# KiCad board untitled.kicad_pcb (continued)
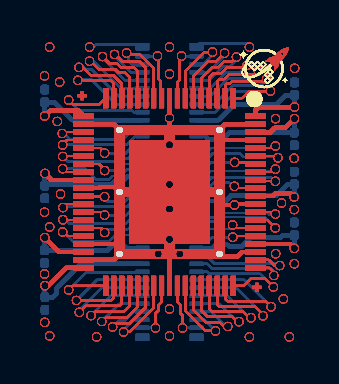
[diagram p0: board, top side]
## Routing (per net, layer and track width the routed paths; a pad name or vN(x,y) marks a point on that pad's centre or on a via; arc(x,y) is an arc through that point) (continued)
/PIN 58: length 222.5
  Top w0.1: 11.62,7.95 11.45,7.78 ; 11.62,7.95 11.45,7.78 ; 11.62,7.95 11.45,7.78 ; 11.62,7.95 11.45,7.78 ; 11.62,7.95 11.45,7.78 ; 11.62,7.95 11.45,7.78 ; 11.62,7.95 11.45,7.78 ; 11.62,7.95 11.45,7.78 ; 11.62,7.95 11.45,7.78 ; 11.62,7.95 11.45,7.78 ; 11.62,7.95 11.45,7.78 ; 11.62,7.95 11.45,7.78 ; 11.62,7.95 11.45,7.78 ; 11.62,7.95 11.45,7.78 ; 11.62,7.95 11.45,7.78 ; 11.62,7.95 11.45,7.78 ; 11.62,7.95 11.45,7.78 ; 11.62,7.95 11.45,7.78 ; 11.62,7.95 11.45,7.78 ; 11.62,7.95 11.45,7.78 ; 11.62,7.95 11.45,7.78 ; 11.62,7.95 11.45,7.78 ; 11.62,7.95 11.45,7.78 ; 11.62,7.95 11.45,7.78 ; 11.62,7.95 11.45,7.78 ; 11.62,7.95 11.45,7.78 ; 11.62,7.95 11.45,7.78 ; 11.62,7.95 11.45,7.78 ; 11.62,7.95 11.45,7.78 ; 11.62,7.95 11.45,7.78 ; 11.62,7.95 11.45,7.78 ; 11.62,7.95 11.45,7.78 ; 11.62,7.95 11.45,7.78 ; 11.62,7.95 11.45,7.78 ; 11.62,7.95 11.45,7.78 ; 11.62,7.95 11.45,7.78 ; 11.62,7.95 11.45,7.78 ; 11.62,7.95 11.45,7.78 ; 11.62,7.95 11.45,7.78 ; 11.62,7.95 11.45,7.78 ; 11.62,7.95 11.45,7.78 ; 11.62,7.95 11.45,7.78 ; 11.45,7.78 J158.70 ; 11.45,7.78 J158.70 ; 11.45,7.78 J158.70 ; 11.45,7.78 J158.70 ; 11.45,7.78 J158.70 ; 11.45,7.78 J158.70 ; 11.45,7.78 J158.70 ; 11.45,7.78 J158.70 ; 11.45,7.78 J158.70 ; 11.45,7.78 J158.70 ; 11.45,7.78 J158.70 ; 11.45,7.78 J158.70 ; 11.45,7.78 J158.70 ; 11.45,7.78 J158.70 ; 11.45,7.78 J158.70 ; 11.45,7.78 J158.70 ; 11.45,7.78 J158.70 ; 11.45,7.78 J158.70 ; 11.45,7.78 J158.70 ; 11.45,7.78 J158.70 ; 11.45,7.78 J158.70 ; 11.45,7.78 J158.70 ; 11.45,7.78 J158.70 ; 11.45,7.78 J158.70 ; 11.45,7.78 J158.70 ; 11.45,7.78 J158.70 ; 11.45,7.78 J158.70 ; 11.45,7.78 J158.70 ; 11.45,7.78 J158.70 ; 11.45,7.78 J158.70 ; 11.45,7.78 J158.70 ; 11.45,7.78 J158.70 ; 11.45,7.78 J158.70 ; 11.45,7.78 J158.70 ; 11.45,7.78 J158.70 ; 11.45,7.78 J158.70 ; 11.45,7.78 J158.70 ; 11.45,7.78 J158.70 ; 11.45,7.78 J158.70 ; 11.45,7.78 J158.70 ; 11.45,7.78 J158.70 ; 11.45,7.78 J158.70
  Bottom w0.1: 11.45,7.78 11.62,7.95 ; 11.45,7.78 8.33,7.78 ; 11.45,7.78 11.62,7.95 ; 11.45,7.78 11.62,7.95 ; 11.45,7.78 8.33,7.78 ; 11.45,7.78 11.62,7.95 ; 11.45,7.78 11.62,7.95 ; 11.45,7.78 11.62,7.95 ; 11.45,7.78 8.33,7.78 ; 11.45,7.78 8.33,7.78 ; 11.45,7.78 8.33,7.78 ; 11.45,7.78 8.33,7.78 ; 11.45,7.78 8.33,7.78 ; 11.45,7.78 8.33,7.78 ; 11.45,7.78 8.33,7.78 ; 11.45,7.78 8.33,7.78 ; 11.45,7.78 8.33,7.78 ; 11.45,7.78 8.33,7.78 ; 11.45,7.78 8.33,7.78 ; 11.45,7.78 11.62,7.95 ; 11.45,7.78 11.62,7.95 ; 11.45,7.78 11.62,7.95 ; 11.45,7.78 8.33,7.78 ; 11.45,7.78 8.33,7.78 ; 11.45,7.78 11.62,7.95 ; 11.45,7.78 11.62,7.95 ; 11.45,7.78 11.62,7.95 ; 11.45,7.78 8.33,7.78 ; 11.45,7.78 8.33,7.78 ; 11.45,7.78 8.33,7.78 ; 11.45,7.78 8.33,7.78 ; 11.45,7.78 8.33,7.78 ; 11.45,7.78 11.62,7.95 ; 11.45,7.78 8.33,7.78 ; 11.45,7.78 11.62,7.95 ; 11.45,7.78 11.62,7.95 ; 11.45,7.78 8.33,7.78 ; 11.45,7.78 11.62,7.95 ; 11.45,7.78 11.62,7.95 ; 11.45,7.78 11.62,7.95 ; 11.45,7.78 8.33,7.78 ; 11.45,7.78 8.33,7.78 ; 11.45,7.78 11.62,7.95 ; 11.45,7.78 8.33,7.78 ; 11.45,7.78 11.62,7.95 ; 11.45,7.78 11.62,7.95 ; 11.45,7.78 11.62,7.95 ; 11.45,7.78 11.62,7.95 ; 11.45,7.78 11.62,7.95 ; 11.45,7.78 11.62,7.95 ; 11.45,7.78 8.33,7.78 ; 11.45,7.78 8.33,7.78 ; 11.45,7.78 11.62,7.95 ; 11.45,7.78 11.62,7.95 ; 11.45,7.78 8.33,7.78 ; 11.45,7.78 8.33,7.78 ; 11.45,7.78 8.33,7.78 ; 11.45,7.78 8.33,7.78 ; 11.45,7.78 8.33,7.78 ; 11.45,7.78 11.62,7.95 ; 11.45,7.78 11.62,7.95 ; 11.45,7.78 8.33,7.78 ; 11.45,7.78 11.62,7.95 ; 11.45,7.78 11.62,7.95 ; 11.45,7.78 11.62,7.95 ; 11.45,7.78 8.33,7.78 ; 11.45,7.78 8.33,7.78 ; 11.45,7.78 8.33,7.78 ; 11.45,7.78 8.33,7.78 ; 11.45,7.78 11.62,7.95 ; 11.45,7.78 8.33,7.78 ; 11.45,7.78 8.33,7.78 ; 11.45,7.78 11.62,7.95 ; 11.45,7.78 11.62,7.95 ; 11.45,7.78 8.33,7.78 ; 11.45,7.78 8.33,7.78 ; 11.45,7.78 11.62,7.95 ; 11.45,7.78 11.62,7.95 ; 11.45,7.78 11.62,7.95 ; 11.45,7.78 11.62,7.95 ; 11.45,7.78 11.62,7.95 ; 11.45,7.78 11.62,7.95 ; 11.45,7.78 11.62,7.95 ; 11.45,7.78 8.33,7.78 ; 8.33,7.78 8.13,7.58 ; 8.33,7.78 8.13,7.58 ; 8.33,7.78 8.13,7.58 ; 8.33,7.78 8.13,7.58 ; 8.33,7.78 8.13,7.58 ; 8.33,7.78 8.13,7.58 ; 8.33,7.78 8.13,7.58 ; 8.33,7.78 8.13,7.58 ; 8.33,7.78 8.13,7.58 ; 8.33,7.78 8.13,7.58 ; 8.33,7.78 8.13,7.58 ; 8.33,7.78 8.13,7.58 ; 8.33,7.78 8.13,7.58 ; 8.33,7.78 8.13,7.58 ; 8.33,7.78 8.13,7.58 ; 8.33,7.78 8.13,7.58 ; 8.33,7.78 8.13,7.58 ; 8.33,7.78 8.13,7.58 ; 8.33,7.78 8.13,7.58 ; 8.33,7.78 8.13,7.58 ; 8.33,7.78 8.13,7.58 ; 8.33,7.78 8.13,7.58 ; 8.33,7.78 8.13,7.58 ; 8.33,7.78 8.13,7.58 ; 8.33,7.78 8.13,7.58 ; 8.33,7.78 8.13,7.58 ; 8.33,7.78 8.13,7.58 ; 8.33,7.78 8.13,7.58 ; 8.33,7.78 8.13,7.58 ; 8.33,7.78 8.13,7.58 ; 8.33,7.78 8.13,7.58 ; 8.33,7.78 8.13,7.58 ; 8.33,7.78 8.13,7.58 ; 8.33,7.78 8.13,7.58 ; 8.33,7.78 8.13,7.58 ; 8.33,7.78 8.13,7.58 ; 8.33,7.78 8.13,7.58 ; 8.33,7.78 8.13,7.58 ; 8.33,7.78 8.13,7.58 ; 8.33,7.78 8.13,7.58 ; 8.33,7.78 8.13,7.58 ; 8.33,7.78 8.13,7.58 ; J173.13 8.13,7.58 ; J173.13 8.13,7.58 ; J173.13 8.13,7.58 ; J173.13 8.13,7.58 ; J173.13 8.13,7.58 ; J173.13 8.13,7.58 ; J173.13 8.13,7.58 ; J173.13 8.13,7.58 ; J173.13 8.13,7.58 ; J173.13 8.13,7.58 ; J173.13 8.13,7.58 ; J173.13 8.13,7.58 ; J173.13 8.13,7.58 ; J173.13 8.13,7.58 ; J173.13 8.13,7.58 ; J173.13 8.13,7.58 ; J173.13 8.13,7.58 ; J173.13 8.13,7.58 ; J173.13 8.13,7.58 ; J173.13 8.13,7.58 ; J173.13 8.13,7.58 ; J173.13 8.13,7.58 ; J173.13 8.13,7.58 ; J173.13 8.13,7.58 ; J173.13 8.13,7.58 ; J173.13 8.13,7.58 ; J173.13 8.13,7.58 ; J173.13 8.13,7.58 ; J173.13 8.13,7.58 ; J173.13 8.13,7.58 ; J173.13 8.13,7.58 ; J173.13 8.13,7.58 ; J173.13 8.13,7.58 ; J173.13 8.13,7.58 ; J173.13 8.13,7.58 ; J173.13 8.13,7.58 ; J173.13 8.13,7.58 ; J173.13 8.13,7.58 ; J173.13 8.13,7.58 ; J173.13 8.13,7.58 ; J173.13 8.13,7.58 ; J173.13 8.13,7.58
  vias: v1(11.56,7.88) v1(11.56,7.88) v1(11.56,7.88) v1(11.56,7.88) v1(11.56,7.88) v1(11.56,7.88) v1(11.56,7.88) v1(11.56,7.88) v1(11.56,7.88) v1(11.56,7.88) v1(11.56,7.88) v1(11.56,7.88) v1(11.56,7.88) v1(11.56,7.88) v1(11.56,7.88) v1(11.56,7.88) v1(11.56,7.88) v1(11.56,7.88) v1(11.56,7.88) v1(11.56,7.88) v1(11.56,7.88) v1(11.56,7.88) v1(11.56,7.88) v1(11.56,7.88) v1(11.56,7.88) v1(11.56,7.88) v1(11.56,7.88) v1(11.56,7.88) v1(11.56,7.88) v1(11.56,7.88) v1(11.56,7.88) v1(11.56,7.88) v1(11.56,7.88) v1(11.56,7.88) v1(11.56,7.88) v1(11.56,7.88) v1(11.56,7.88) v1(11.56,7.88) v1(11.56,7.88) v1(11.56,7.88) v1(11.56,7.88) v1(11.56,7.88)
/PIN 60: length 338.3
  Top w0.2: 11.29,8.55 11.53,8.79 ; 11.29,8.55 10.59,8.55 ; 11.29,8.55 10.59,8.55 ; 11.29,8.55 10.59,8.55 ; 11.29,8.55 11.53,8.79 ; 11.29,8.55 11.53,8.79 ; 11.29,8.55 10.59,8.55 ; 11.29,8.55 10.59,8.55 ; 11.29,8.55 10.59,8.55 ; 11.29,8.55 10.59,8.55 ; 11.29,8.55 10.59,8.55 ; 11.29,8.55 11.53,8.79 ; 11.29,8.55 11.53,8.79 ; 11.29,8.55 10.59,8.55 ; 11.29,8.55 11.53,8.79 ; 11.29,8.55 10.59,8.55 ; 11.29,8.55 11.53,8.79 ; 11.29,8.55 10.59,8.55 ; 11.29,8.55 10.59,8.55 ; 11.29,8.55 10.59,8.55 ; 11.29,8.55 10.59,8.55 ; 11.29,8.55 10.59,8.55 ; 11.29,8.55 10.59,8.55 ; 11.29,8.55 11.53,8.79 ; 11.29,8.55 11.53,8.79 ; 11.29,8.55 11.53,8.79 ; 11.29,8.55 10.59,8.55 ; 11.29,8.55 11.53,8.79 ; 11.29,8.55 10.59,8.55 ; 11.29,8.55 11.53,8.79 ; 11.29,8.55 10.59,8.55 ; 11.29,8.55 10.59,8.55 ; 11.29,8.55 10.59,8.55 ; 11.29,8.55 11.53,8.79 ; 11.29,8.55 11.53,8.79 ; 11.29,8.55 11.53,8.79 ; 11.29,8.55 11.53,8.79 ; 11.29,8.55 10.59,8.55 ; 11.29,8.55 11.53,8.79 ; 11.29,8.55 11.53,8.79 ; 11.29,8.55 11.53,8.79 ; 11.29,8.55 10.59,8.55 ; 11.29,8.55 10.59,8.55 ; 11.29,8.55 10.59,8.55 ; 11.29,8.55 11.53,8.79 ; 11.29,8.55 11.53,8.79 ; 11.29,8.55 10.59,8.55 ; 11.29,8.55 11.53,8.79 ; 11.29,8.55 11.53,8.79 ; 11.29,8.55 11.53,8.79 ; 11.29,8.55 10.59,8.55 ; 11.29,8.55 10.59,8.55 ; 11.29,8.55 11.53,8.79 ; 11.29,8.55 10.59,8.55 ; 11.29,8.55 11.53,8.79 ; 11.29,8.55 10.59,8.55 ; 11.29,8.55 11.53,8.79 ; 11.29,8.55 11.53,8.79 ; 11.29,8.55 10.59,8.55 ; 11.29,8.55 10.59,8.55 ; 11.29,8.55 10.59,8.55 ; 11.29,8.55 10.59,8.55 ; 11.29,8.55 11.53,8.79 ; 11.29,8.55 10.59,8.55 ; 11.29,8.55 10.59,8.55 ; 11.29,8.55 10.59,8.55 ; 11.29,8.55 11.53,8.79 ; 11.29,8.55 10.59,8.55 ; 11.29,8.55 11.53,8.79 ; 11.29,8.55 11.53,8.79 ; 11.29,8.55 11.53,8.79 ; 11.29,8.55 11.53,8.79 ; 11.29,8.55 10.59,8.55 ; 11.29,8.55 11.53,8.79 ; 11.29,8.55 11.53,8.79 ; 11.29,8.55 10.59,8.55 ; 11.29,8.55 11.53,8.79 ; 11.29,8.55 11.53,8.79 ; 11.29,8.55 11.53,8.79 ; 11.29,8.55 10.59,8.55 ; 11.29,8.55 11.53,8.79 ; 11.29,8.55 11.53,8.79 ; 11.29,8.55 11.53,8.79 ; 11.29,8.55 10.59,8.55 ; 11.53,8.79 12.06,8.79 ; 11.53,8.79 12.06,8.79 ; 11.53,8.79 12.06,8.79 ; 11.53,8.79 12.06,8.79 ; 11.53,8.79 12.06,8.79 ; 11.53,8.79 12.06,8.79 ; 11.53,8.79 12.06,8.79 ; 11.53,8.79 12.06,8.79 ; 11.53,8.79 12.06,8.79 ; 11.53,8.79 12.06,8.79 ; 11.53,8.79 12.06,8.79 ; 11.53,8.79 12.06,8.79 ; 11.53,8.79 12.06,8.79 ; 11.53,8.79 12.06,8.79 ; 11.53,8.79 12.06,8.79 ; 11.53,8.79 12.06,8.79 ; 11.53,8.79 12.06,8.79 ; 11.53,8.79 12.06,8.79 ; 11.53,8.79 12.06,8.79 ; 11.53,8.79 12.06,8.79 ; 11.53,8.79 12.06,8.79 ; 11.53,8.79 12.06,8.79 ; 11.53,8.79 12.06,8.79 ; 11.53,8.79 12.06,8.79 ; 11.53,8.79 12.06,8.79 ; 11.53,8.79 12.06,8.79 ; 11.53,8.79 12.06,8.79 ; 11.53,8.79 12.06,8.79 ; 11.53,8.79 12.06,8.79 ; 11.53,8.79 12.06,8.79 ; 11.53,8.79 12.06,8.79 ; 11.53,8.79 12.06,8.79 ; 11.53,8.79 12.06,8.79 ; 11.53,8.79 12.06,8.79 ; 11.53,8.79 12.06,8.79 ; 11.53,8.79 12.06,8.79 ; 11.53,8.79 12.06,8.79 ; 11.53,8.79 12.06,8.79 ; 11.53,8.79 12.06,8.79 ; 11.53,8.79 12.06,8.79 ; 11.53,8.79 12.06,8.79 ; 11.53,8.79 12.06,8.79 ; J158.72 10.59,8.55 ; J158.72 10.59,8.55 ; J158.72 10.59,8.55 ; J158.72 10.59,8.55 ; J158.72 10.59,8.55 ; J158.72 10.59,8.55 ; J158.72 10.59,8.55 ; J158.72 10.59,8.55 ; J158.72 10.59,8.55 ; J158.72 10.59,8.55 ; J158.72 10.59,8.55 ; J158.72 10.59,8.55 ; J158.72 10.59,8.55 ; J158.72 10.59,8.55 ; J158.72 10.59,8.55 ; J158.72 10.59,8.55 ; J158.72 10.59,8.55 ; J158.72 10.59,8.55 ; J158.72 10.59,8.55 ; J158.72 10.59,8.55 ; J158.72 10.59,8.55 ; J158.72 10.59,8.55 ; J158.72 10.59,8.55 ; J158.72 10.59,8.55 ; J158.72 10.59,8.55 ; J158.72 10.59,8.55 ; J158.72 10.59,8.55 ; J158.72 10.59,8.55 ; J158.72 10.59,8.55 ; J158.72 10.59,8.55 ; J158.72 10.59,8.55 ; J158.72 10.59,8.55 ; J158.72 10.59,8.55 ; J158.72 10.59,8.55 ; J158.72 10.59,8.55 ; J158.72 10.59,8.55 ; J158.72 10.59,8.55 ; J158.72 10.59,8.55 ; J158.72 10.59,8.55 ; J158.72 10.59,8.55 ; J158.72 10.59,8.55 ; J158.72 10.59,8.55 ; 12.06,8.79 v1(12.52,9.25) ; 12.06,8.79 v1(12.52,9.25) ; 12.06,8.79 v1(12.52,9.25) ; 12.06,8.79 v1(12.52,9.25) ; 12.06,8.79 v1(12.52,9.25) ; 12.06,8.79 v1(12.52,9.25) ; 12.06,8.79 v1(12.52,9.25) ; 12.06,8.79 v1(12.52,9.25) ; 12.06,8.79 v1(12.52,9.25) ; 12.06,8.79 v1(12.52,9.25) ; 12.06,8.79 v1(12.52,9.25) ; 12.06,8.79 v1(12.52,9.25) ; 12.06,8.79 v1(12.52,9.25) ; 12.06,8.79 v1(12.52,9.25) ; 12.06,8.79 v1(12.52,9.25) ; 12.06,8.79 v1(12.52,9.25) ; 12.06,8.79 v1(12.52,9.25) ; 12.06,8.79 v1(12.52,9.25) ; 12.06,8.79 v1(12.52,9.25) ; 12.06,8.79 v1(12.52,9.25) ; 12.06,8.79 v1(12.52,9.25) ; 12.06,8.79 v1(12.52,9.25) ; 12.06,8.79 v1(12.52,9.25) ; 12.06,8.79 v1(12.52,9.25) ; 12.06,8.79 v1(12.52,9.25) ; 12.06,8.79 v1(12.52,9.25) ; 12.06,8.79 v1(12.52,9.25) ; 12.06,8.79 v1(12.52,9.25) ; 12.06,8.79 v1(12.52,9.25) ; 12.06,8.79 v1(12.52,9.25) ; 12.06,8.79 v1(12.52,9.25) ; 12.06,8.79 v1(12.52,9.25) ; 12.06,8.79 v1(12.52,9.25) ; 12.06,8.79 v1(12.52,9.25) ; 12.06,8.79 v1(12.52,9.25) ; 12.06,8.79 v1(12.52,9.25) ; 12.06,8.79 v1(12.52,9.25) ; 12.06,8.79 v1(12.52,9.25) ; 12.06,8.79 v1(12.52,9.25) ; 12.06,8.79 v1(12.52,9.25) ; 12.06,8.79 v1(12.52,9.25) ; 12.06,8.79 v1(12.52,9.25)
  Bottom w0.2: C240.1 9.27,8.55 ; C240.1 9.27,8.55 ; C240.1 9.27,8.55 ; C240.1 12.52,8.56 ; C240.1 12.52,8.56 ; C240.1 9.27,8.55 ; C240.1 12.52,8.56 ; C240.1 9.27,8.55 ; C240.1 12.52,8.56 ; C240.1 9.27,8.55 ; C240.1 9.27,8.55 ; C240.1 12.52,8.56 ; C240.1 12.52,8.56 ; C240.1 9.27,8.55 ; C240.1 9.27,8.55 ; C240.1 9.27,8.55 ; C240.1 12.52,8.56 ; C240.1 9.27,8.55 ; C240.1 12.52,8.56 ; C240.1 12.52,8.56 ; C240.1 9.27,8.55 ; C240.1 9.27,8.55 ; C240.1 9.27,8.55 ; C240.1 9.27,8.55 ; C240.1 12.52,8.56 ; C240.1 12.52,8.56 ; C240.1 12.52,8.56 ; C240.1 9.27,8.55 ; C240.1 12.52,8.56 ; C240.1 12.52,8.56 ; C240.1 9.27,8.55 ; C240.1 12.52,8.56 ; C240.1 9.27,8.55 ; C240.1 12.52,8.56 ; C240.1 12.52,8.56 ; C240.1 12.52,8.56 ; C240.1 9.27,8.55 ; C240.1 12.52,8.56 ; C240.1 9.27,8.55 ; C240.1 12.52,8.56 ; C240.1 12.52,8.56 ; C240.1 12.52,8.56 ; C240.1 12.52,8.56 ; C240.1 9.27,8.55 ; C240.1 9.27,8.55 ; C240.1 12.52,8.56 ; C240.1 9.27,8.55 ; C240.1 12.52,8.56 ; C240.1 12.52,8.56 ; C240.1 9.27,8.55 ; C240.1 9.27,8.55 ; C240.1 12.52,8.56 ; C240.1 9.27,8.55 ; C240.1 12.52,8.56 ; C240.1 12.52,8.56 ; C240.1 9.27,8.55 ; C240.1 12.52,8.56 ; C240.1 9.27,8.55 ; C240.1 9.27,8.55 ; C240.1 12.52,8.56 ; C240.1 12.52,8.56 ; C240.1 9.27,8.55 ; C240.1 12.52,8.56 ; C240.1 9.27,8.55 ; C240.1 12.52,8.56 ; C240.1 9.27,8.55 ; C240.1 9.27,8.55 ; C240.1 9.27,8.55 ; C240.1 12.52,8.56 ; C240.1 9.27,8.55 ; C240.1 9.27,8.55 ; C240.1 12.52,8.56 ; C240.1 12.52,8.56 ; C240.1 12.52,8.56 ; C240.1 9.27,8.55 ; C240.1 9.27,8.55 ; C240.1 12.52,8.56 ; C240.1 9.27,8.55 ; C240.1 9.27,8.55 ; C240.1 12.52,8.56 ; C240.1 12.52,8.56 ; C240.1 12.52,8.56 ; C240.1 9.27,8.55 ; C240.1 9.27,8.55 ; 9.27,8.55 8.95,8.23 ; 9.27,8.55 8.95,8.23 ; 9.27,8.55 8.95,8.23 ; 9.27,8.55 8.95,8.23 ; 9.27,8.55 8.95,8.23 ; 9.27,8.55 8.95,8.23 ; 9.27,8.55 8.95,8.23 ; 9.27,8.55 8.95,8.23 ; 9.27,8.55 8.95,8.23 ; 9.27,8.55 8.95,8.23 ; 9.27,8.55 8.95,8.23 ; 9.27,8.55 8.95,8.23 ; 9.27,8.55 8.95,8.23 ; 9.27,8.55 8.95,8.23 ; 9.27,8.55 8.95,8.23 ; 9.27,8.55 8.95,8.23 ; 9.27,8.55 8.95,8.23 ; 9.27,8.55 8.95,8.23 ; 9.27,8.55 8.95,8.23 ; 9.27,8.55 8.95,8.23 ; 9.27,8.55 8.95,8.23 ; 9.27,8.55 8.95,8.23 ; 9.27,8.55 8.95,8.23 ; 9.27,8.55 8.95,8.23 ; 9.27,8.55 8.95,8.23 ; 9.27,8.55 8.95,8.23 ; 9.27,8.55 8.95,8.23 ; 9.27,8.55 8.95,8.23 ; 9.27,8.55 8.95,8.23 ; 9.27,8.55 8.95,8.23 ; 9.27,8.55 8.95,8.23 ; 9.27,8.55 8.95,8.23 ; 9.27,8.55 8.95,8.23 ; 9.27,8.55 8.95,8.23 ; 9.27,8.55 8.95,8.23 ; 9.27,8.55 8.95,8.23 ; 9.27,8.55 8.95,8.23 ; 9.27,8.55 8.95,8.23 ; 9.27,8.55 8.95,8.23 ; 9.27,8.55 8.95,8.23 ; 9.27,8.55 8.95,8.23 ; 9.27,8.55 8.95,8.23 ; 8.95,8.23 8.2,8.23 ; 8.95,8.23 8.2,8.23 ; 8.95,8.23 8.2,8.23 ; 8.95,8.23 8.2,8.23 ; 8.95,8.23 8.2,8.23 ; 8.95,8.23 8.2,8.23 ; 8.95,8.23 8.2,8.23 ; 8.95,8.23 8.2,8.23 ; 8.95,8.23 8.2,8.23 ; 8.95,8.23 8.2,8.23 ; 8.95,8.23 8.2,8.23 ; 8.95,8.23 8.2,8.23 ; 8.95,8.23 8.2,8.23 ; 8.95,8.23 8.2,8.23 ; 8.95,8.23 8.2,8.23 ; 8.95,8.23 8.2,8.23 ; 8.95,8.23 8.2,8.23 ; 8.95,8.23 8.2,8.23 ; 8.95,8.23 8.2,8.23 ; 8.95,8.23 8.2,8.23 ; 8.95,8.23 8.2,8.23 ; 8.95,8.23 8.2,8.23 ; 8.95,8.23 8.2,8.23 ; 8.95,8.23 8.2,8.23 ; 8.95,8.23 8.2,8.23 ; 8.95,8.23 8.2,8.23 ; 8.95,8.23 8.2,8.23 ; 8.95,8.23 8.2,8.23 ; 8.95,8.23 8.2,8.23 ; 8.95,8.23 8.2,8.23 ; 8.95,8.23 8.2,8.23 ; 8.95,8.23 8.2,8.23 ; 8.95,8.23 8.2,8.23 ; 8.95,8.23 8.2,8.23 ; 8.95,8.23 8.2,8.23 ; 8.95,8.23 8.2,8.23 ; 8.95,8.23 8.2,8.23 ; 8.95,8.23 8.2,8.23 ; 8.95,8.23 8.2,8.23 ; 8.95,8.23 8.2,8.23 ; 8.95,8.23 8.2,8.23 ; 8.95,8.23 8.2,8.23 ; 8.2,8.23 8.05,8.38 ; 8.2,8.23 8.05,8.38 ; 8.2,8.23 8.05,8.38 ; 8.2,8.23 8.05,8.38 ; 8.2,8.23 8.05,8.38 ; 8.2,8.23 8.05,8.38 ; 8.2,8.23 8.05,8.38 ; 8.2,8.23 8.05,8.38 ; 8.2,8.23 8.05,8.38 ; 8.2,8.23 8.05,8.38 ; 8.2,8.23 8.05,8.38 ; 8.2,8.23 8.05,8.38 ; 8.2,8.23 8.05,8.38 ; 8.2,8.23 8.05,8.38 ; 8.2,8.23 8.05,8.38 ; 8.2,8.23 8.05,8.38 ; 8.2,8.23 8.05,8.38 ; 8.2,8.23 8.05,8.38 ; 8.2,8.23 8.05,8.38 ; 8.2,8.23 8.05,8.38 ; 8.2,8.23 8.05,8.38 ; 8.2,8.23 8.05,8.38 ; 8.2,8.23 8.05,8.38 ; 8.2,8.23 8.05,8.38 ; 8.2,8.23 8.05,8.38 ; 8.2,8.23 8.05,8.38 ; 8.2,8.23 8.05,8.38 ; 8.2,8.23 8.05,8.38 ; 8.2,8.23 8.05,8.38 ; 8.2,8.23 8.05,8.38 ; 8.2,8.23 8.05,8.38 ; 8.2,8.23 8.05,8.38 ; 8.2,8.23 8.05,8.38 ; 8.2,8.23 8.05,8.38 ; 8.2,8.23 8.05,8.38 ; 8.2,8.23 8.05,8.38 ; 8.2,8.23 8.05,8.38 ; 8.2,8.23 8.05,8.38 ; 8.2,8.23 8.05,8.38 ; 8.2,8.23 8.05,8.38 ; 8.2,8.23 8.05,8.38 ; 8.2,8.23 8.05,8.38 ; 8.05,8.38 J173.11 ; 8.05,8.38 J173.11 ; 8.05,8.38 J173.11 ; 8.05,8.38 J173.11 ; 8.05,8.38 J173.11 ; 8.05,8.38 J173.11 ; 8.05,8.38 J173.11 ; 8.05,8.38 J173.11 ; 8.05,8.38 J173.11 ; 8.05,8.38 J173.11 ; 8.05,8.38 J173.11 ; 8.05,8.38 J173.11 ; 8.05,8.38 J173.11 ; 8.05,8.38 J173.11 ; 8.05,8.38 J173.11 ; 8.05,8.38 J173.11 ; 8.05,8.38 J173.11 ; 8.05,8.38 J173.11 ; 8.05,8.38 J173.11 ; 8.05,8.38 J173.11 ; 8.05,8.38 J173.11 ; 8.05,8.38 J173.11 ; 8.05,8.38 J173.11 ; 8.05,8.38 J173.11 ; 8.05,8.38 J173.11 ; 8.05,8.38 J173.11 ; 8.05,8.38 J173.11 ; 8.05,8.38 J173.11 ; 8.05,8.38 J173.11 ; 8.05,8.38 J173.11 ; 8.05,8.38 J173.11 ; 8.05,8.38 J173.11 ; 8.05,8.38 J173.11 ; 8.05,8.38 J173.11 ; 8.05,8.38 J173.11 ; 8.05,8.38 J173.11 ; 8.05,8.38 J173.11 ; 8.05,8.38 J173.11 ; 8.05,8.38 J173.11 ; 8.05,8.38 J173.11 ; 8.05,8.38 J173.11 ; 8.05,8.38 J173.11 ; 12.52,8.56 v1(12.52,9.25) ; 12.52,8.56 v1(12.52,9.25) ; 12.52,8.56 v1(12.52,9.25) ; 12.52,8.56 v1(12.52,9.25) ; 12.52,8.56 v1(12.52,9.25) ; 12.52,8.56 v1(12.52,9.25) ; 12.52,8.56 v1(12.52,9.25) ; 12.52,8.56 v1(12.52,9.25) ; 12.52,8.56 v1(12.52,9.25) ; 12.52,8.56 v1(12.52,9.25) ; 12.52,8.56 v1(12.52,9.25) ; 12.52,8.56 v1(12.52,9.25) ; 12.52,8.56 v1(12.52,9.25) ; 12.52,8.56 v1(12.52,9.25) ; 12.52,8.56 v1(12.52,9.25) ; 12.52,8.56 v1(12.52,9.25) ; 12.52,8.56 v1(12.52,9.25) ; 12.52,8.56 v1(12.52,9.25) ; 12.52,8.56 v1(12.52,9.25) ; 12.52,8.56 v1(12.52,9.25) ; 12.52,8.56 v1(12.52,9.25) ; 12.52,8.56 v1(12.52,9.25) ; 12.52,8.56 v1(12.52,9.25) ; 12.52,8.56 v1(12.52,9.25) ; 12.52,8.56 v1(12.52,9.25) ; 12.52,8.56 v1(12.52,9.25) ; 12.52,8.56 v1(12.52,9.25) ; 12.52,8.56 v1(12.52,9.25) ; 12.52,8.56 v1(12.52,9.25) ; 12.52,8.56 v1(12.52,9.25) ; 12.52,8.56 v1(12.52,9.25) ; 12.52,8.56 v1(12.52,9.25) ; 12.52,8.56 v1(12.52,9.25) ; 12.52,8.56 v1(12.52,9.25) ; 12.52,8.56 v1(12.52,9.25) ; 12.52,8.56 v1(12.52,9.25) ; 12.52,8.56 v1(12.52,9.25) ; 12.52,8.56 v1(12.52,9.25) ; 12.52,8.56 v1(12.52,9.25) ; 12.52,8.56 v1(12.52,9.25) ; 12.52,8.56 v1(12.52,9.25) ; 12.52,8.56 v1(12.52,9.25)
/PIN 62: length 349.6
  Top w0.2: 10.72,9.83 10.56,9.67 ; 10.72,9.83 v1(12.52,9.83) ; 10.72,9.83 10.56,9.67 ; 10.72,9.83 v1(12.52,9.83) ; 10.72,9.83 v1(12.52,9.83) ; 10.72,9.83 v1(12.52,9.83) ; 10.72,9.83 v1(12.52,9.83) ; 10.72,9.83 v1(12.52,9.83) ; 10.72,9.83 v1(12.52,9.83) ; 10.72,9.83 v1(12.52,9.83) ; 10.72,9.83 10.56,9.67 ; 10.72,9.83 10.56,9.67 ; 10.72,9.83 v1(12.52,9.83) ; 10.72,9.83 10.56,9.67 ; 10.72,9.83 10.56,9.67 ; 10.72,9.83 10.56,9.67 ; 10.72,9.83 10.56,9.67 ; 10.72,9.83 10.56,9.67 ; 10.72,9.83 10.56,9.67 ; 10.72,9.83 v1(12.52,9.83) ; 10.72,9.83 10.56,9.67 ; 10.72,9.83 v1(12.52,9.83) ; 10.72,9.83 10.56,9.67 ; 10.72,9.83 v1(12.52,9.83) ; 10.72,9.83 10.56,9.67 ; 10.72,9.83 v1(12.52,9.83) ; 10.72,9.83 v1(12.52,9.83) ; 10.72,9.83 10.56,9.67 ; 10.72,9.83 v1(12.52,9.83) ; 10.72,9.83 10.56,9.67 ; 10.72,9.83 10.56,9.67 ; 10.72,9.83 10.56,9.67 ; 10.72,9.83 v1(12.52,9.83) ; 10.72,9.83 v1(12.52,9.83) ; 10.72,9.83 v1(12.52,9.83) ; 10.72,9.83 10.56,9.67 ; 10.72,9.83 10.56,9.67 ; 10.72,9.83 10.56,9.67 ; 10.72,9.83 v1(12.52,9.83) ; 10.72,9.83 v1(12.52,9.83) ; 10.72,9.83 v1(12.52,9.83) ; 10.72,9.83 10.56,9.67 ; 10.72,9.83 v1(12.52,9.83) ; 10.72,9.83 10.56,9.67 ; 10.72,9.83 v1(12.52,9.83) ; 10.72,9.83 v1(12.52,9.83) ; 10.72,9.83 v1(12.52,9.83) ; 10.72,9.83 v1(12.52,9.83) ; 10.72,9.83 10.56,9.67 ; 10.72,9.83 v1(12.52,9.83) ; 10.72,9.83 10.56,9.67 ; 10.72,9.83 10.56,9.67 ; 10.72,9.83 v1(12.52,9.83) ; 10.72,9.83 10.56,9.67 ; 10.72,9.83 v1(12.52,9.83) ; 10.72,9.83 10.56,9.67 ; 10.72,9.83 v1(12.52,9.83) ; 10.72,9.83 10.56,9.67 ; 10.72,9.83 10.56,9.67 ; 10.72,9.83 10.56,9.67 ; 10.72,9.83 v1(12.52,9.83) ; 10.72,9.83 v1(12.52,9.83) ; 10.72,9.83 10.56,9.67 ; 10.72,9.83 10.56,9.67 ; 10.72,9.83 10.56,9.67 ; 10.72,9.83 v1(12.52,9.83) ; 10.72,9.83 10.56,9.67 ; 10.72,9.83 10.56,9.67 ; 10.72,9.83 v1(12.52,9.83) ; 10.72,9.83 v1(12.52,9.83) ; 10.72,9.83 10.56,9.67 ; 10.72,9.83 10.56,9.67 ; 10.72,9.83 v1(12.52,9.83) ; 10.72,9.83 v1(12.52,9.83) ; 10.72,9.83 10.56,9.67 ; 10.72,9.83 v1(12.52,9.83) ; 10.72,9.83 10.56,9.67 ; 10.72,9.83 v1(12.52,9.83) ; 10.72,9.83 v1(12.52,9.83) ; 10.72,9.83 v1(12.52,9.83) ; 10.72,9.83 v1(12.52,9.83) ; 10.72,9.83 10.56,9.67 ; 10.72,9.83 10.56,9.67 ; 10.72,9.83 10.56,9.67 ; 10.56,9.67 J158.74 ; 10.56,9.67 J158.74 ; 10.56,9.67 J158.74 ; 10.56,9.67 J158.74 ; 10.56,9.67 J158.74 ; 10.56,9.67 J158.74 ; 10.56,9.67 J158.74 ; 10.56,9.67 J158.74 ; 10.56,9.67 J158.74 ; 10.56,9.67 J158.74 ; 10.56,9.67 J158.74 ; 10.56,9.67 J158.74 ; 10.56,9.67 J158.74 ; 10.56,9.67 J158.74 ; 10.56,9.67 J158.74 ; 10.56,9.67 J158.74 ; 10.56,9.67 J158.74 ; 10.56,9.67 J158.74 ; 10.56,9.67 J158.74 ; 10.56,9.67 J158.74 ; 10.56,9.67 J158.74 ; 10.56,9.67 J158.74 ; 10.56,9.67 J158.74 ; 10.56,9.67 J158.74 ; 10.56,9.67 J158.74 ; 10.56,9.67 J158.74 ; 10.56,9.67 J158.74 ; 10.56,9.67 J158.74 ; 10.56,9.67 J158.74 ; 10.56,9.67 J158.74 ; 10.56,9.67 J158.74 ; 10.56,9.67 J158.74 ; 10.56,9.67 J158.74 ; 10.56,9.67 J158.74 ; 10.56,9.67 J158.74 ; 10.56,9.67 J158.74 ; 10.56,9.67 J158.74 ; 10.56,9.67 J158.74 ; 10.56,9.67 J158.74 ; 10.56,9.67 J158.74 ; 10.56,9.67 J158.74 ; 10.56,9.67 J158.74
  Bottom w0.2: C190.1 v1(12.52,9.83) ; C190.1 v1(12.52,9.83) ; C190.1 v1(12.52,9.83) ; C190.1 v1(12.52,9.83) ; C190.1 12.07,10.42 ; C190.1 12.07,10.42 ; C190.1 12.07,10.42 ; C190.1 v1(12.52,9.83) ; C190.1 12.07,10.42 ; C190.1 v1(12.52,9.83) ; C190.1 v1(12.52,9.83) ; C190.1 12.07,10.42 ; C190.1 12.07,10.42 ; C190.1 12.07,10.42 ; C190.1 v1(12.52,9.83) ; C190.1 12.07,10.42 ; C190.1 v1(12.52,9.83) ; C190.1 v1(12.52,9.83) ; C190.1 12.07,10.42 ; C190.1 12.07,10.42 ; C190.1 12.07,10.42 ; C190.1 v1(12.52,9.83) ; C190.1 v1(12.52,9.83) ; C190.1 12.07,10.42 ; C190.1 12.07,10.42 ; C190.1 v1(12.52,9.83) ; C190.1 v1(12.52,9.83) ; C190.1 12.07,10.42 ; C190.1 v1(12.52,9.83) ; C190.1 12.07,10.42 ; C190.1 12.07,10.42 ; C190.1 12.07,10.42 ; C190.1 v1(12.52,9.83) ; C190.1 v1(12.52,9.83) ; C190.1 v1(12.52,9.83) ; C190.1 12.07,10.42 ; C190.1 12.07,10.42 ; C190.1 v1(12.52,9.83) ; C190.1 v1(12.52,9.83) ; C190.1 v1(12.52,9.83) ; C190.1 12.07,10.42 ; C190.1 v1(12.52,9.83) ; C190.1 12.07,10.42 ; C190.1 v1(12.52,9.83) ; C190.1 12.07,10.42 ; C190.1 12.07,10.42 ; C190.1 12.07,10.42 ; C190.1 v1(12.52,9.83) ; C190.1 v1(12.52,9.83) ; C190.1 v1(12.52,9.83) ; C190.1 v1(12.52,9.83) ; C190.1 v1(12.52,9.83) ; C190.1 v1(12.52,9.83) ; C190.1 12.07,10.42 ; C190.1 12.07,10.42 ; C190.1 v1(12.52,9.83) ; C190.1 v1(12.52,9.83) ; C190.1 12.07,10.42 ; C190.1 12.07,10.42 ; C190.1 12.07,10.42 ; C190.1 v1(12.52,9.83) ; C190.1 12.07,10.42 ; C190.1 v1(12.52,9.83) ; C190.1 v1(12.52,9.83) ; C190.1 v1(12.52,9.83) ; C190.1 12.07,10.42 ; C190.1 12.07,10.42 ; C190.1 12.07,10.42 ; C190.1 12.07,10.42 ; C190.1 12.07,10.42 ; C190.1 v1(12.52,9.83) ; C190.1 v1(12.52,9.83) ; C190.1 v1(12.52,9.83) ; C190.1 12.07,10.42 ; C190.1 v1(12.52,9.83) ; C190.1 v1(12.52,9.83) ; C190.1 v1(12.52,9.83) ; C190.1 12.07,10.42 ; C190.1 12.07,10.42 ; C190.1 12.07,10.42 ; C190.1 v1(12.52,9.83) ; C190.1 12.07,10.42 ; C190.1 12.07,10.42 ; C190.1 12.07,10.42 ; 8.72,9.18 9.48,9.94 ; 8.72,9.18 9.48,9.94 ; 8.72,9.18 J173.9 ; 8.72,9.18 9.48,9.94 ; 8.72,9.18 9.48,9.94 ; 8.72,9.18 9.48,9.94 ; 8.72,9.18 9.48,9.94 ; 8.72,9.18 J173.9 ; 8.72,9.18 9.48,9.94 ; 8.72,9.18 9.48,9.94 ; 8.72,9.18 J173.9 ; 8.72,9.18 J173.9 ; 8.72,9.18 9.48,9.94 ; 8.72,9.18 9.48,9.94 ; 8.72,9.18 J173.9 ; 8.72,9.18 J173.9 ; 8.72,9.18 J173.9 ; 8.72,9.18 9.48,9.94 ; 8.72,9.18 J173.9 ; 8.72,9.18 9.48,9.94 ; 8.72,9.18 9.48,9.94 ; 8.72,9.18 J173.9 ; 8.72,9.18 J173.9 ; 8.72,9.18 J173.9 ; 8.72,9.18 J173.9 ; 8.72,9.18 J173.9 ; 8.72,9.18 9.48,9.94 ; 8.72,9.18 9.48,9.94 ; 8.72,9.18 9.48,9.94 ; 8.72,9.18 J173.9 ; 8.72,9.18 J173.9 ; 8.72,9.18 J173.9 ; 8.72,9.18 J173.9 ; 8.72,9.18 9.48,9.94 ; 8.72,9.18 J173.9 ; 8.72,9.18 9.48,9.94 ; 8.72,9.18 9.48,9.94 ; 8.72,9.18 J173.9 ; 8.72,9.18 J173.9 ; 8.72,9.18 9.48,9.94 ; 8.72,9.18 J173.9 ; 8.72,9.18 J173.9 ; 8.72,9.18 9.48,9.94 ; 8.72,9.18 J173.9 ; 8.72,9.18 J173.9 ; 8.72,9.18 9.48,9.94 ; 8.72,9.18 J173.9 ; 8.72,9.18 J173.9 ; 8.72,9.18 J173.9 ; 8.72,9.18 9.48,9.94 ; 8.72,9.18 J173.9 ; 8.72,9.18 9.48,9.94 ; 8.72,9.18 J173.9 ; 8.72,9.18 9.48,9.94 ; 8.72,9.18 J173.9 ; 8.72,9.18 9.48,9.94 ; 8.72,9.18 J173.9 ; 8.72,9.18 9.48,9.94 ; 8.72,9.18 9.48,9.94 ; 8.72,9.18 J173.9 ; 8.72,9.18 9.48,9.94 ; 8.72,9.18 J173.9 ; 8.72,9.18 J173.9 ; 8.72,9.18 9.48,9.94 ; 8.72,9.18 9.48,9.94 ; 8.72,9.18 9.48,9.94 ; 8.72,9.18 9.48,9.94 ; 8.72,9.18 J173.9 ; 8.72,9.18 J173.9 ; 8.72,9.18 9.48,9.94 ; 8.72,9.18 9.48,9.94 ; 8.72,9.18 J173.9 ; 8.72,9.18 9.48,9.94 ; 8.72,9.18 J173.9 ; 8.72,9.18 9.48,9.94 ; 8.72,9.18 9.48,9.94 ; 8.72,9.18 9.48,9.94 ; 8.72,9.18 9.48,9.94 ; 8.72,9.18 J173.9 ; 8.72,9.18 9.48,9.94 ; 8.72,9.18 J173.9 ; 8.72,9.18 J173.9 ; 8.72,9.18 J173.9 ; 8.72,9.18 9.48,9.94 ; 9.48,9.94 11.59,9.94 ; 9.48,9.94 11.59,9.94 ; 9.48,9.94 11.59,9.94 ; 9.48,9.94 11.59,9.94 ; 9.48,9.94 11.59,9.94 ; 9.48,9.94 11.59,9.94 ; 9.48,9.94 11.59,9.94 ; 9.48,9.94 11.59,9.94 ; 9.48,9.94 11.59,9.94 ; 9.48,9.94 11.59,9.94 ; 9.48,9.94 11.59,9.94 ; 9.48,9.94 11.59,9.94 ; 9.48,9.94 11.59,9.94 ; 9.48,9.94 11.59,9.94 ; 9.48,9.94 11.59,9.94 ; 9.48,9.94 11.59,9.94 ; 9.48,9.94 11.59,9.94 ; 9.48,9.94 11.59,9.94 ; 9.48,9.94 11.59,9.94 ; 9.48,9.94 11.59,9.94 ; 9.48,9.94 11.59,9.94 ; 9.48,9.94 11.59,9.94 ; 9.48,9.94 11.59,9.94 ; 9.48,9.94 11.59,9.94 ; 9.48,9.94 11.59,9.94 ; 9.48,9.94 11.59,9.94 ; 9.48,9.94 11.59,9.94 ; 9.48,9.94 11.59,9.94 ; 9.48,9.94 11.59,9.94 ; 9.48,9.94 11.59,9.94 ; 9.48,9.94 11.59,9.94 ; 9.48,9.94 11.59,9.94 ; 9.48,9.94 11.59,9.94 ; 9.48,9.94 11.59,9.94 ; 9.48,9.94 11.59,9.94 ; 9.48,9.94 11.59,9.94 ; 9.48,9.94 11.59,9.94 ; 9.48,9.94 11.59,9.94 ; 9.48,9.94 11.59,9.94 ; 9.48,9.94 11.59,9.94 ; 9.48,9.94 11.59,9.94 ; 9.48,9.94 11.59,9.94 ; 11.59,9.94 12.07,10.42 ; 11.59,9.94 12.07,10.42 ; 11.59,9.94 12.07,10.42 ; 11.59,9.94 12.07,10.42 ; 11.59,9.94 12.07,10.42 ; 11.59,9.94 12.07,10.42 ; 11.59,9.94 12.07,10.42 ; 11.59,9.94 12.07,10.42 ; 11.59,9.94 12.07,10.42 ; 11.59,9.94 12.07,10.42 ; 11.59,9.94 12.07,10.42 ; 11.59,9.94 12.07,10.42 ; 11.59,9.94 12.07,10.42 ; 11.59,9.94 12.07,10.42 ; 11.59,9.94 12.07,10.42 ; 11.59,9.94 12.07,10.42 ; 11.59,9.94 12.07,10.42 ; 11.59,9.94 12.07,10.42 ; 11.59,9.94 12.07,10.42 ; 11.59,9.94 12.07,10.42 ; 11.59,9.94 12.07,10.42 ; 11.59,9.94 12.07,10.42 ; 11.59,9.94 12.07,10.42 ; 11.59,9.94 12.07,10.42 ; 11.59,9.94 12.07,10.42 ; 11.59,9.94 12.07,10.42 ; 11.59,9.94 12.07,10.42 ; 11.59,9.94 12.07,10.42 ; 11.59,9.94 12.07,10.42 ; 11.59,9.94 12.07,10.42 ; 11.59,9.94 12.07,10.42 ; 11.59,9.94 12.07,10.42 ; 11.59,9.94 12.07,10.42 ; 11.59,9.94 12.07,10.42 ; 11.59,9.94 12.07,10.42 ; 11.59,9.94 12.07,10.42 ; 11.59,9.94 12.07,10.42 ; 11.59,9.94 12.07,10.42 ; 11.59,9.94 12.07,10.42 ; 11.59,9.94 12.07,10.42 ; 11.59,9.94 12.07,10.42 ; 11.59,9.94 12.07,10.42
/PIN 63: length 257.2